# Altium PCB stencil V2.0.PcbDoc (part 3 of 4)
Units mm, origin at the board's own origin, x right, y up, seen from the top; angles counter-clockwise.
Board outline 50 x 79.06 mm, 2 copper layers (Top Layer, Bottom Layer); 235 components, 68 nets, 1097 pads, 384 vias.
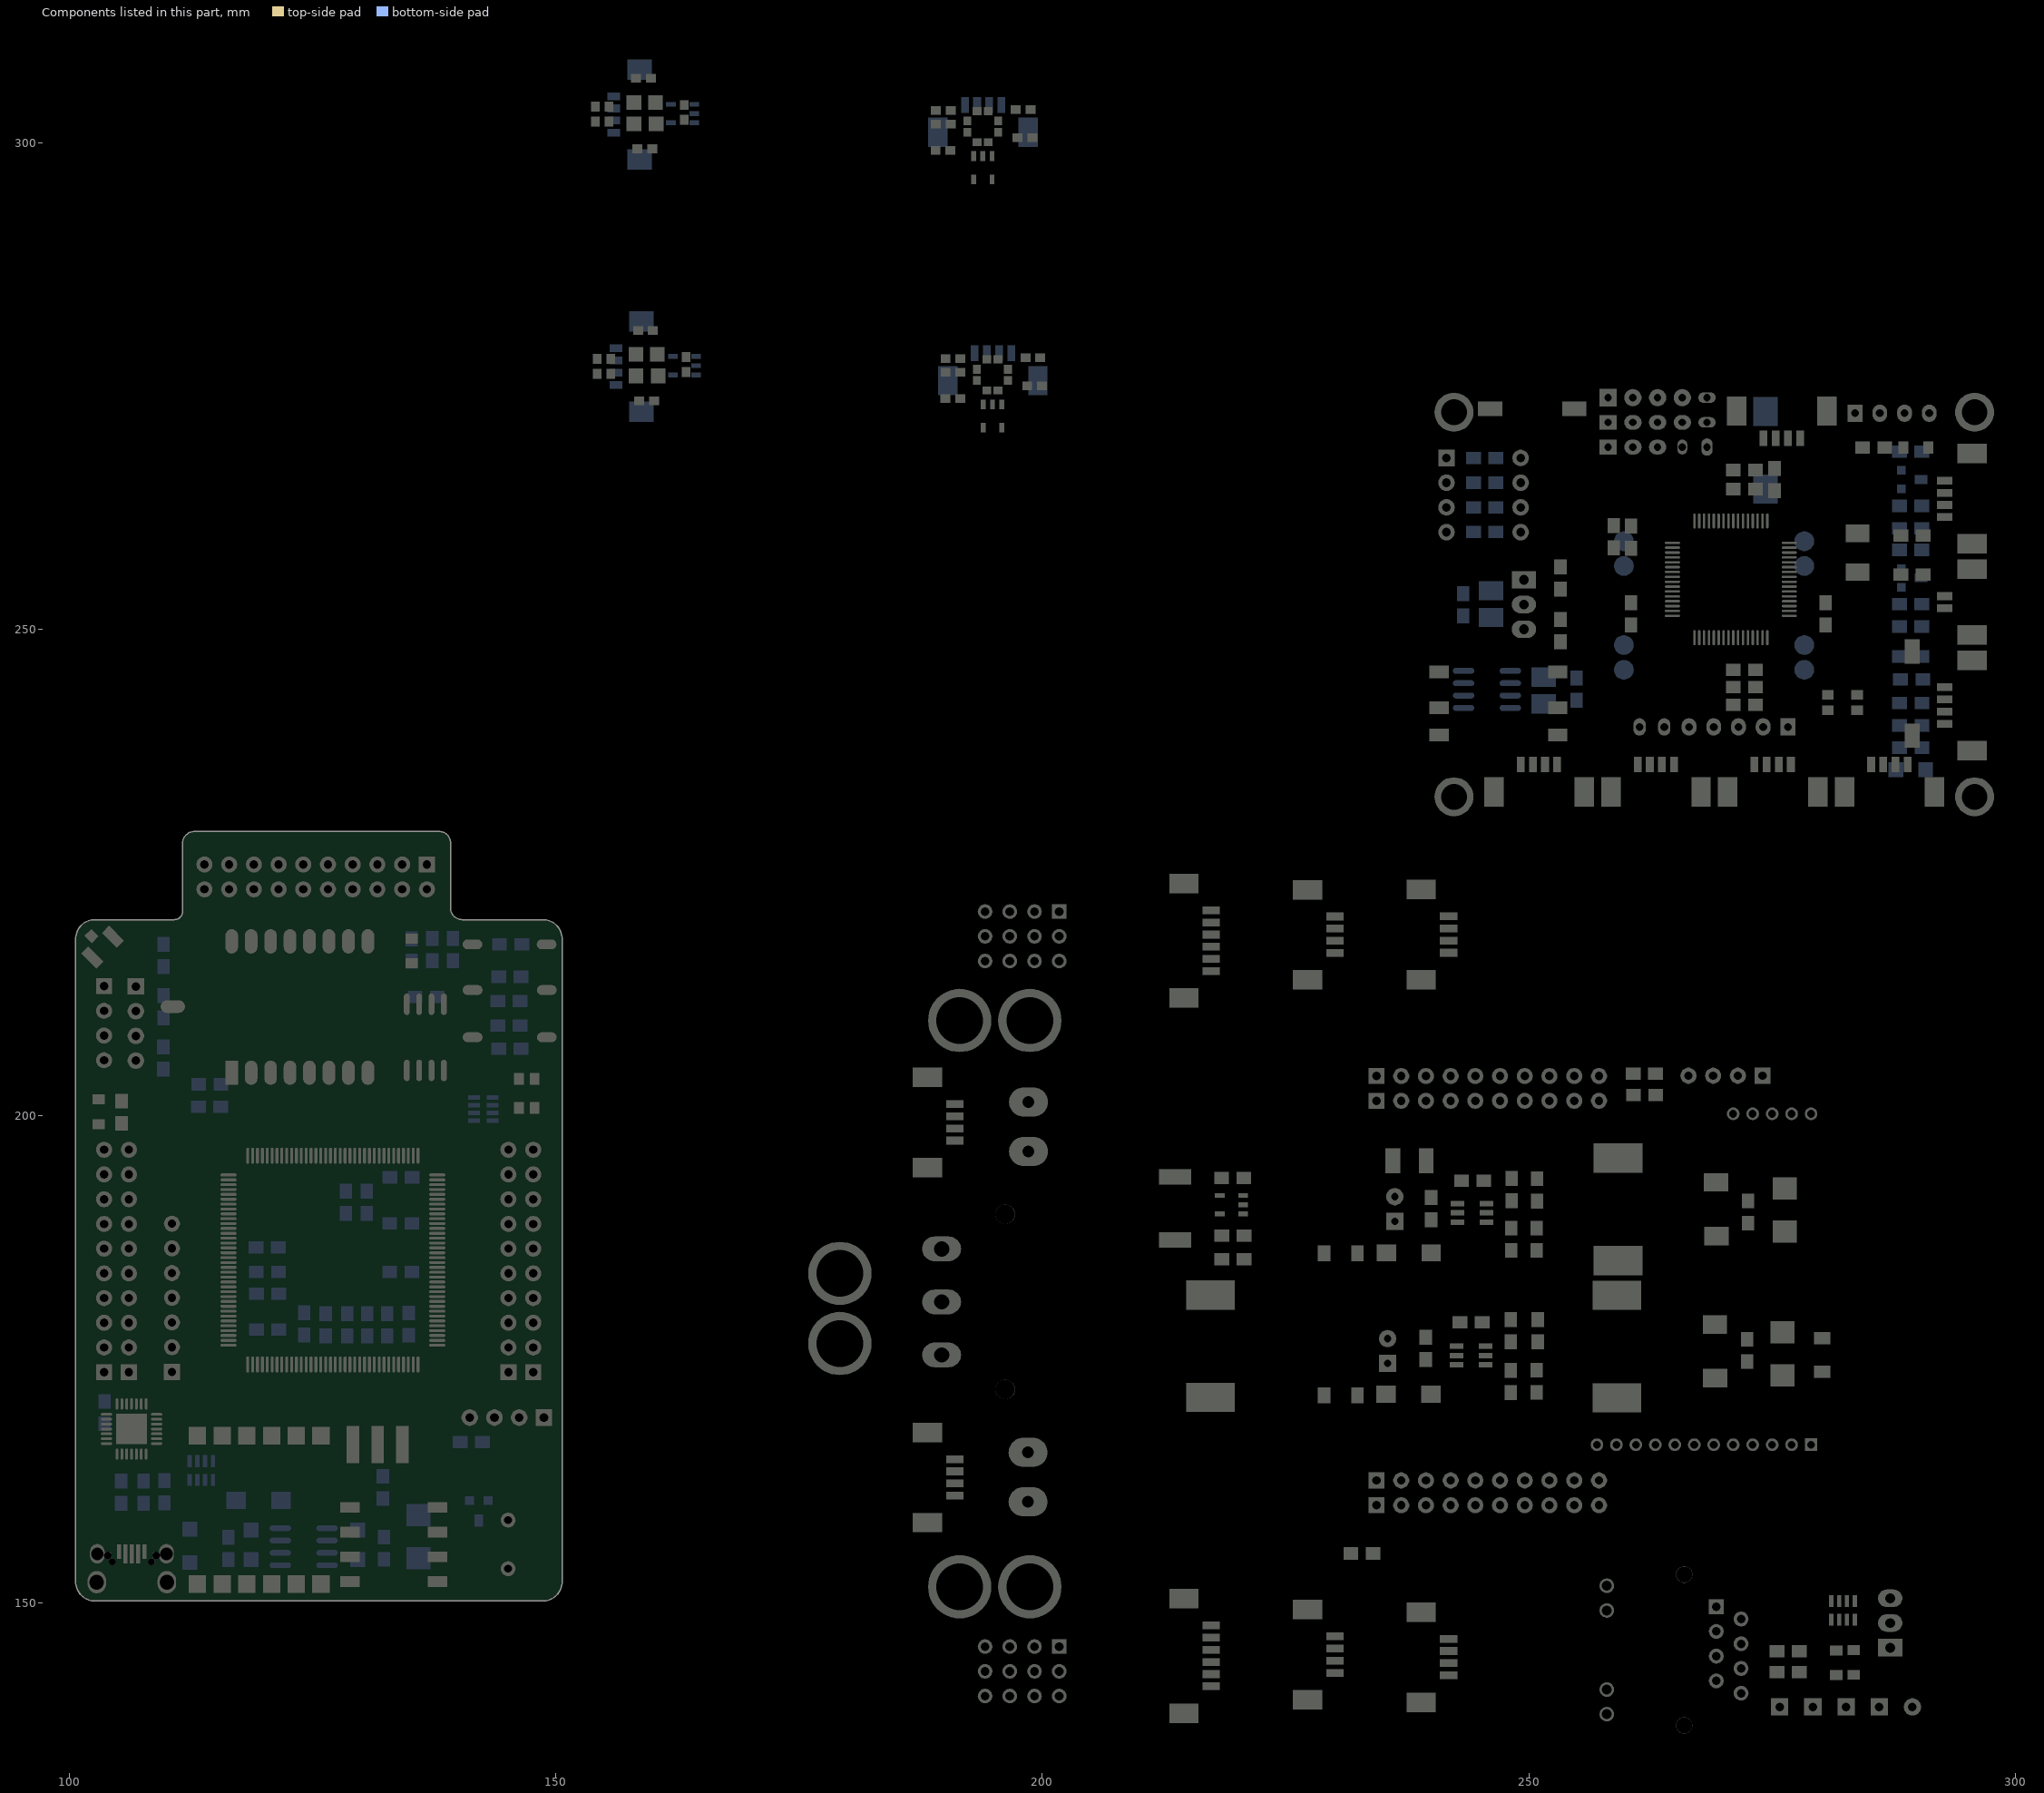
[diagram p3: the components of this part, seen from the top]

## Via types
v1: diameter 0.559, hole 0.305, Top Layer to Bottom Layer, 68 vias
v2: diameter 0.762, hole 0.406, Top Layer to Bottom Layer, 67 vias
v3: diameter 1.27, hole 0.711, Top Layer to Bottom Layer, 50 vias
v4: diameter 0.559, hole 0.356, Top Layer to Bottom Layer, 42 vias
v5: diameter 0.711, hole 0.406, Top Layer to Bottom Layer, 27 vias
v6: diameter 0.61, hole 0.305, Top Layer to Bottom Layer, tented both sides, 24 vias
v7: diameter 0.762, hole 0.381, Top Layer to Bottom Layer, tented both sides, 21 vias
v8: diameter 0.635, hole 0.406, Top Layer to Bottom Layer, 16 vias
v9: diameter 0.635, hole 0.381, Top Layer to Bottom Layer, 16 vias
v10: diameter 1.016, hole 0.559, Top Layer to Bottom Layer, 15 vias
v11: diameter 0.762, hole 0.381, Top Layer to Bottom Layer, 14 vias
v12: diameter 1.27, hole 0.711, Top Layer to Bottom Layer, tented both sides, 9 vias
v13: diameter 1.016, hole 0.635, Top Layer to Bottom Layer, 5 vias
v14: diameter 0.762, hole 0.457, Top Layer to Bottom Layer, 3 vias
v15: diameter 1.016, hole 0.457, Top Layer to Bottom Layer, 2 vias
v16: diameter 0.914, hole 0.559, Top Layer to Bottom Layer, 2 vias
v17: diameter 0.9, hole 0.9, Top Layer to Bottom Layer, 2 vias
v18: diameter 0.914, hole 0.457, Top Layer to Bottom Layer, tented both sides, 1 vias

## Nets (pads, with @x,y where several pads share a name; then routed paths per layer and width w, separated by ;. In a path a pad name is that pad's centre, name@x,y a point inside that pad or via, vN(x,y) a via of type N, cw(c..) or ccw(c..) an arc to the next point about the centre after c; other vN are vias at no path point) (continued)
copper on no net: | length 6231.1
  Top Layer w0.254: v10(103.046,160.229) 105.256,160.229 105.932,160.904 cw(c105.932,160.925) 105.912,160.925 105.912,166.311 cw(c106.412,166.311) 106.412,166.811 ; 103.588,208.25 104.951,206.887 104.951,204.171 105.815,203.307 106.983,203.307 v4(109.93,200.361) ; 103.59,181.279 cw(c103.59,179.994) 104.875,179.994 104.875,176.027 ccw(c105.866,176.027) 105.866,175.037 107.034,175.037 cw(c107.034,174.529) 107.542,174.529 107.542,172.929 ccw(c108.479,172.929) 108.479,171.992 112.983,171.992 ccw(c112.733,173.072) 113.841,173.072 113.841,179.71 115.061,180.93 116.379,180.93 ; 103.59,183.814 ccw(c104.823,183.814) 104.823,182.581 107.466,182.581 cw(c107.466,181.336) 108.711,181.336 108.711,175.875 ccw(c109.65,175.875) 109.65,174.935 112.083,174.935 ccw(c112.083,175.822) 112.97,175.822 112.97,180.084 114.816,181.93 116.379,181.93 ; 103.59,186.354 104.823,185.121 107.06,185.121 109.65,187.711 111.682,187.711 112.964,186.43 116.379,186.43 ; 103.59,188.889 104.844,187.635 106.78,187.635 110.075,190.93 116.379,190.93 ; 103.59,191.429 104.818,190.201 107.161,190.201 108.89,191.93 116.379,191.93 ; 103.59,193.979 104.854,192.715 106.653,192.715 107.542,193.604 107.542,194.77 112.256,199.484 113.391,199.484 113.404,199.497 128.064,199.497 129.361,198.201 129.361,195.912 129.354,195.905 ; 103.59,196.519 104.879,195.23 106.729,195.23 111.86,200.361 112.147,200.361 112.16,200.348 113.033,200.348 113.046,200.361 128.534,200.361 131.354,197.541 131.354,195.905 ; 103.732,210.79 103.732,210.646 105.383,208.995 105.383,204.501 106.133,203.751 107.453,203.751 109.777,201.427 v4@109.981,201.427 ; v8(103.758,164.14) 103.058,164.14 cw(c103.058,164.355) 102.843,164.355 102.843,166.983 cw(c103.188,166.983) 103.188,167.327 103.834,167.327 ; v8(103.808,163.2) 102.938,163.2 cw(c102.938,163.727) 102.411,163.727 102.411,167.163 cw(c103.072,167.163) 103.072,167.823 103.834,167.823 103.834,167.827 ; 105.782,155.113 v5(105.782,158.483) v5@105.782,158.534 ; 106.14,173.659 106.14,172.296 ccw(c106.879,172.296) 106.879,171.557 112.902,171.557 ccw(c112.902,172.954) 114.299,172.954 114.299,178.923 cw(c114.805,178.923) 114.805,179.43 116.379,179.43 116.424,179.385 117.901,179.385 v1(118.083,179.202) ; 106.14,181.279 107.505,181.279 cw(c107.505,180.505) 108.279,180.505 108.279,173.081 ccw(c108.936,173.081) 108.936,172.424 112.768,172.424 ccw(c112.698,173.132) 113.41,173.132 113.41,179.889 114.95,181.43 116.379,181.43 ; 106.14,183.814 ccw(c106.332,183.814) 106.332,183.622 108.152,183.622 cw(c108.152,182.631) 109.142,182.631 109.142,177.983 ccw(c109.65,177.983) 109.65,177.475 111.809,177.475 ccw(c111.809,178.136) 112.47,178.136 112.47,180.218 cw(c113.083,180.218) 112.53,180.483 cw(c113.083,180.218) 112.649,180.652 112.927,180.93 ccw(c111.946,181.911) 113.333,181.911 113.333,182.854 cw(c114.512,182.854) 113.679,183.687 cw(c114.438,182.619) 114.438,183.93 116.379,183.93 ; 106.14,186.354 110.216,190.43 116.379,190.43 ; 106.14,188.889 106.942,188.889 109.483,191.43 116.379,191.43 ; 106.14,191.429 108.141,193.43 116.204,193.43 ; 106.14,193.979 112.077,199.916 113.212,199.916 113.225,199.929 128.243,199.929 129.854,198.318 129.854,195.905 ; 106.14,196.519 107.358,196.519 111.607,200.768 111.657,200.768 111.681,200.792 112.326,200.792 112.339,200.78 112.855,200.78 112.867,200.792 128.712,200.792 131.854,197.651 131.854,195.905 ; 106.412,165.25 106.412,163.221 ; 106.432,155.114 106.432,158.199 106.443,158.21 106.443,163.19 cw(c106.443,163.221) 106.412,163.221 ; 106.432,158.662 ccw(c106.412,158.662) 106.412,158.683 106.412,163.221 ; 106.856,205.675 106.856,205.136 110.082,201.91 110.222,201.91 110.731,201.402 v8(112.597,201.402) ; 106.856,208.215 108.152,206.92 108.152,204.501 109.904,202.748 112.521,202.748 v8(112.546,202.774) ; 106.912,165.25 106.912,163.658 106.912,160.554 107.364,160.102 v5(107.364,158.527) v5@107.364,158.476 ; 107.412,165.25 107.412,164.245 ccw(c107.618,164.245) v5(107.618,164.039) ; 107.912,165.25 108.804,165.25 ccw(c108.804,165.283) 108.838,165.283 ; 108.989,166.827 108.989,166.833 109.882,166.833 cw(c109.882,166.505) 110.209,166.505 110.209,163.2 ccw(c111.911,163.2) 111.911,161.499 v5(113.156,161.499) ; 108.989,167.827 108.989,167.823 110.26,167.823 cw(c110.26,167.417) 110.666,167.417 110.666,163.378 ccw(c111.505,163.378) 111.267,162.574 ccw(c111.505,163.378) v4(111.505,162.54) ; 110.565,178.771 111.118,179.324 ccw(c110.988,179.454) 111.172,179.454 cw(c112.399,179.454) 111.531,180.321 111.962,180.752 ccw(c110.735,181.978) 112.47,181.978 112.47,182.2 cw(c114.9,182.2) 113.181,183.918 113.259,183.996 cw(c114.308,182.947) 114.308,184.43 116.379,184.43 ; 110.565,183.846 ccw(c110.565,186.102) 112.161,184.507 112.34,184.686 cw(c114.136,182.89) 114.136,185.43 116.379,185.43 ; 110.565,186.386 ccw(c111.665,187.486) 111.665,185.93 116.379,185.93 ; 110.565,188.921 111.591,188.921 112.59,187.922 v4(113.689,187.922) 114.197,188.43 116.379,188.43 117.481,188.43 ccw(c117.481,188.753) 117.804,188.753 117.804,193.122 cw(c118.236,193.122) 118.236,193.553 ccw(c118.236,194.171) 118.854,194.171 118.854,195.905 ; 110.642,181.309 ccw(c110.642,181.669) 110.897,181.414 ccw(c110.897,182.396) 111.591,181.702 111.657,181.768 ccw(c111.166,182.258) 111.86,182.258 111.86,182.657 cw(c113.822,182.657) 112.435,184.044 112.576,184.186 cw(c114.373,182.39) 114.373,184.93 116.379,184.93 ; v8@111.098,169.5 111.098,164.953 113.283,162.769 137.547,162.769 ccw(c137.547,163.751) 138.53,163.751 138.53,170.008 135.354,173.184 135.354,174.455 ; v8(111.149,170.617) v8(113.181,170.617) ; v8@111.759,168.661 111.759,164.978 113.486,163.251 137.413,163.251 ccw(c137.413,163.937) 138.098,163.937 138.098,169.677 134.854,172.922 134.854,174.455 ; v1(113.232,188.88) 114.375,188.88 114.925,189.43 116.379,189.43 ; v1@113.765,189.718 v1(113.816,189.718) 114.4,189.718 114.612,189.93 116.379,189.93 ; 113.902,223.272 113.902,219.807 115.594,218.115 115.594,215.118 116.483,214.229 116.483,212.095 120.039,208.539 v1(120.039,208.057) ; v1(114.095,192.588) 114.254,192.43 116.379,192.43 ; v1(114.095,195.077) 114.095,197.186 v1(114.756,197.846) ; v2@114.832,187.356 114.832,187.661 115.101,187.93 116.379,187.93 ; v4(114.959,174.376) 114.959,176.561 cw(c115.328,176.561) 115.328,176.93 116.379,176.93 ; v4(115.315,195.204) 115.315,194.493 115.878,193.93 116.379,193.93 ; v2(115.721,175.519) 115.721,176.231 115.92,176.43 116.379,176.43 ; v1(115.873,214) 115.873,212.094 119.353,208.615 119.353,207.701 v1(120.42,206.634) ; v4(116.051,195.89) 116.051,197.135 cw(c116.617,197.135) 116.617,197.7 119.337,197.7 cw(c119.337,197.184) 119.854,197.184 119.854,195.905 ; v4(116.204,194.95) 117.399,194.95 118.354,195.905 ; 116.379,177.43 118.419,177.43 120.943,179.954 120.943,194.148 v1@120.801,194.29 ; 116.379,177.93 118.308,177.93 120.511,180.133 120.511,193.334 v1@120.445,193.4 ; 116.379,179.93 119.573,179.93 120.079,180.437 120.079,192.642 120.058,192.663 120.058,192.706 v1(119.887,192.877) ; 116.379,180.43 118.828,180.43 119.648,181.249 119.648,192.014 v1(119.404,192.258) ; 116.379,182.93 117.632,182.93 cw(c117.632,182.606) 117.956,182.606 117.956,181.793 cw(c117.88,181.793) v2(117.88,181.717) ; 116.379,183.43 117.586,183.43 ccw(c117.586,183.8) 117.956,183.8 117.982,183.825 v4(117.982,185.197) ; 116.379,186.93 118.546,186.93 ccw(c118.546,187.578) 119.195,187.578 119.195,191.299 v1(118.896,191.598) ; 116.379,187.43 118.284,187.43 ccw(c118.284,187.889) 118.744,187.889 118.744,190.632 v1(118.464,190.912) ; 116.442,223.129 116.442,223.272 ; 116.442,225.822 117.702,224.562 117.702,222.433 116.889,221.62 v1(116.889,220.554) ; v1(116.813,214.94) 116.966,214.788 116.966,212.375 121.309,208.031 v1(124.916,208.031) ; v4(116.889,195.789) 116.889,196.779 cw(c117.27,196.779) 117.27,197.16 118.947,197.16 cw(c118.947,196.753) 119.354,196.753 119.354,195.905 ; v1(117.397,215.702) 117.397,212.68 121.334,208.743 v1(127.71,208.743) ; v8@118.032,171.684 117.093,172.624 117.093,175.443 121.375,179.725 121.375,195.884 121.354,195.905 ; v8(118.032,172.776) 117.905,172.776 117.524,173.157 117.524,175.264 121.854,179.594 121.854,195.905 ; 118.256,151.895 ccw(c118.256,152.154) 118.515,152.154 118.515,160.508 cw(c120.217,160.508) 120.217,162.21 137.808,162.21 ccw(c137.808,163.364) 138.962,163.364 138.962,170.668 135.854,173.776 135.854,174.455 ; 118.256,167.135 118.256,167.869 122.854,172.467 122.854,174.455 ; 118.354,174.455 118.354,175.46 122.285,179.391 122.285,193.844 v1(122.655,194.214) ; 118.854,174.455 118.854,175.349 122.717,179.213 122.717,193.158 123.062,193.503 v1(123.062,193.553) ; 118.982,222.672 118.982,222.967 117.728,221.713 117.728,216.54 117.982,216.287 117.982,212.833 121.285,209.53 v1(126.44,209.53) ; v1@119.175,214.559 119.252,214.483 v1(131.215,214.483) ; v1(119.302,213.67) v1(130.478,213.67) ; v1(119.556,220.528) 119.556,220.452 120.699,221.595 122.38,221.595 124.057,223.272 124.057,223.419 ; 119.854,174.455 119.854,175.738 123.149,179.034 123.149,192.549 v1(123.493,192.893) ; v1(120.344,193.503) v1@120.445,193.401 ; 120.354,174.455 120.354,175.628 123.581,178.855 123.581,191.99 123.9,192.309 v1@124.001,192.309 ; v1(120.572,212.857) v1(129.742,212.857) ; 120.796,151.895 119.328,153.363 119.328,160.426 cw(c120.553,160.426) 120.553,161.651 138.279,161.651 ccw(c138.279,162.766) 139.394,162.766 139.394,172.09 137.057,174.427 137.057,176.18 137.307,176.43 137.829,176.43 ; 120.796,167.135 120.796,169.723 123.354,172.281 123.354,174.455 ; 121.522,223.272 120.801,223.272 118.82,221.29 118.82,220.274 119.658,219.436 119.658,216.591 118.413,215.347 118.413,213.188 121.436,210.165 v1(125.729,210.165) ; v1(122.274,198.329) 122.274,198.176 122.854,197.597 122.854,195.905 ; v4(122.477,176.434) 125.396,176.434 cw(c125.396,175.976) 125.854,175.976 ; v1@123.138,198.024 v1@123.138,198.049 ; v1@123.138,198.252 v1@123.138,198.049 ; 123.336,167.135 123.519,167.318 v8(123.519,171.405) ; 123.354,195.905 123.354,197.833 v1@123.138,198.049 ; 123.854,195.905 123.854,197.749 124.078,197.973 v1@124.078,198.252 ; 124.052,191.039 124.433,191.42 v1@124.433,191.674 ; 124.089,191.039 124.089,182.892 126.102,180.879 131.944,180.879 134.893,177.93 137.829,177.93 ; v1(124.255,221.087) 126.44,223.272 126.597,223.272 ; v1(124.354,168.763) 124.354,174.455 ; 124.354,195.905 124.354,197.462 124.916,198.024 v1(124.916,198.252) ; 124.703,204.408 124.703,203.545 126.16,202.088 128.497,202.088 129.716,200.869 v1@129.716,200.64 ; 124.703,218.191 124.703,220.112 126.135,221.544 136.244,221.544 139.992,217.797 141.26,217.797 ; 124.854,174.455 124.854,169.613 ccw(c125.348,169.613) 125.348,169.119 126.993,169.119 cw(c126.993,168.702) 127.41,168.702 127.41,165.72 cw(c126.948,165.72) 126.948,165.258 v8(126.491,165.258) ; 124.854,195.905 124.854,193.768 ccw(c125.551,193.768) 125.551,193.071 128.421,193.071 cw(c128.421,192.969) v2(128.523,192.969) ; v1(125.068,190.937) 124.597,190.466 124.597,183.103 126.313,181.387 132.155,181.387 134.612,178.93 137.829,178.93 ; 125.354,174.455 125.354,170.23 ccw(c125.957,170.23) 125.957,169.627 126.937,169.627 cw(c126.937,168.702) 127.862,168.702 127.862,164.775 v5(127.354,164.267) ; 125.354,195.905 125.354,194.309 ccw(c125.779,194.309) 125.779,193.884 128.421,193.884 cw(c128.421,192.817) 129.488,192.817 v5(129.488,189.947) ; v1(125.854,179.81) 125.854,175.976 ; v5(126.135,158.781) 126.135,154.869 128.851,152.153 ; v4(126.211,172.217) 125.854,172.575 125.854,174.455 125.854,175.976 ; 126.354,174.455 126.354,176.602 v2(126.608,176.856) ; 126.703,204.408 126.703,203.247 127.303,202.647 128.853,202.647 130.758,200.742 v1@130.758,200.513 ; 126.854,174.455 126.854,171.346 ccw(c128.446,171.346) v4(128.446,169.754) ; v5(127.126,159.314) 127.126,156.419 ccw(c128.851,156.419) 128.851,154.693 ; 127.354,174.455 127.354,171.837 ccw(c128.573,171.837) v4@128.573,170.617 ; 127.854,174.455 127.854,172.188 ccw(c128.455,172.188) v4@128.455,171.587 ; v1(128.192,158.552) 128.192,157.892 128.851,157.233 ; 128.354,174.455 128.354,172.615 ccw(c128.446,172.615) v4(128.446,172.522) ; 128.354,195.905 128.354,197.372 v4(128.751,197.77) ; v1@128.851,160.33 128.851,159.773 cw(c130.12,159.773) 130.12,161.041 138.48,161.041 ccw(c138.48,162.387) 139.826,162.387 v4(139.826,177.374) ; v2(128.929,176.789) 132.358,176.789 cw(c132.358,176.294) 132.854,176.294 132.854,174.455 ; 129.164,166.214 ccw(c129.164,166.404) 129.354,166.404 129.354,174.455 ; 129.854,174.455 129.854,169.896 ccw(c130.707,169.896) 130.707,169.042 131.704,169.042 cw(c131.704,166.502) 134.244,166.502 134.244,166.214 ; 130.354,174.455 v4(130.354,175.949) ; v2(130.354,192.992) 130.354,195.905 ; 130.854,174.455 130.854,170.267 ccw(c131.444,170.267) 131.444,169.677 135.08,169.677 cw(c135.08,168.894) 135.863,168.894 v4@135.863,167.899 ; 130.854,195.905 130.854,194.372 v2(131.545,193.68) ; 131.354,174.455 131.354,170.91 v4(131.825,170.439) ; v5@131.704,166.214 cw(c131.704,166.17) 131.748,166.17 131.748,164.242 ccw(c132.231,164.242) 132.231,163.759 137.133,163.759 ccw(c137.133,164.267) 137.641,164.267 137.641,169.449 134.614,172.476 v4(133.354,172.476) 133.354,174.455 133.354,178.105 v1(131.774,179.685) ; 131.854,174.455 131.854,171.477 132.282,171.049 132.307,171.074 v4(132.307,171.176) ; v14(132.18,207.523) 132.18,201.656 131.621,201.097 131.621,198.735 132.354,198.003 132.354,195.905 ; v4(132.231,200.183) 132.231,198.81 132.854,198.188 132.854,195.905 ; 132.354,174.455 132.354,172.222 132.549,172.027 ; v4(132.917,187.635) 135.558,187.635 136.353,188.43 137.829,188.43 ; v4(132.942,182.581) 135.635,182.581 136.484,183.43 137.829,183.43 ; v4(132.993,199.497) 132.993,198.659 133.354,198.298 133.354,195.905 ; v4(133.73,198.887) cw(c133.73,198.763) 133.854,198.763 133.854,195.905 ; 133.854,174.455 v2@133.854,177.091 ; 134.354,174.455 v2@134.354,177.08 ; 134.354,195.905 134.354,199.047 ccw(c132.136,199.047) 133.704,200.615 cw(c134.808,201.718) 133.247,201.718 133.247,206.268 cw(c135.787,206.268) 133.399,207.135 cw(c135.787,206.268) 133.991,208.064 v5(135.127,209.2) ; 134.695,204.666 134.695,202.13 ccw(c136.515,202.13) 135.228,200.843 cw(c133.718,199.333) 135.854,199.333 135.854,195.905 ; 134.854,195.905 134.854,195.174 ccw(c135.254,195.174) 135.254,194.774 136.172,194.774 ccw(c136.172,195.279) 136.676,195.279 136.676,199.718 ccw(c134.942,199.718) 136.168,200.945 cw(c136.658,201.435) 135.965,201.435 135.965,204.666 ; 135.354,195.905 135.354,199.22 ccw(c133.885,199.22) 134.923,200.259 134.575,200.607 cw(c136.371,202.403) 133.831,202.403 133.831,205.811 cw(c136.371,205.811) 134.575,207.607 136.491,209.523 ccw(c134.695,211.319) 137.235,211.319 137.235,211.466 ; v2(135.657,183.93) 137.829,183.93 ; v2(135.711,193.071) 135.965,193.071 136.369,193.475 137.783,193.475 137.829,193.43 ; v4(136.193,177.247) 136.377,177.43 137.829,177.43 ; v4(136.727,202.951) 138.606,202.951 139.419,203.764 139.419,207.511 cw(c139.978,207.511) 139.978,208.069 140.799,208.069 ; v1(137.743,194.925) 138.606,194.925 139.318,194.214 139.318,193.147 cw(c139.1,193.147) 139.1,192.93 137.829,192.93 ; 137.829,176.93 139.076,176.93 139.292,176.713 139.292,175.215 139.013,174.935 v4(137.844,174.935) ; 137.829,178.43 139.231,178.43 144.615,183.814 144.728,183.814 ; 137.829,179.93 139.335,179.93 144.5,185.095 146.43,185.095 147.689,186.354 ; 137.829,180.43 139.224,180.43 144.906,186.111 144.906,186.354 ; 137.829,180.93 139.09,180.93 143.712,185.551 143.712,187.075 144.246,187.61 146.41,187.61 147.689,188.889 ; 137.829,181.43 138.98,181.43 143.28,185.73 143.28,187.254 144.915,188.889 145.139,188.889 ; 137.829,181.93 138.869,181.93 139.8,182.861 v4(139.8,183.8) ; 137.829,187.43 141.322,187.43 141.959,188.067 v4(141.959,188.092) ; 137.829,187.93 140.857,187.93 143.102,190.175 146.435,190.175 147.689,191.429 ; 137.829,188.93 v2(135.712,188.93) 135.102,188.93 cw(c135.102,189.261) 134.771,189.261 134.771,193.401 cw(c135.3,193.401) 135.3,193.93 137.829,193.93 ; 137.829,189.43 141.746,189.43 143.745,191.429 145.139,191.429 ; 137.829,189.93 141.587,189.93 144.372,192.715 146.425,192.715 147.689,193.979 ; 137.829,190.43 141.476,190.43 144.193,193.147 ; 137.829,190.93 141.365,190.93 143.686,193.251 143.686,194.593 143.811,194.718 143.811,194.719 144.372,195.281 146.45,195.281 147.689,196.519 ; 137.829,191.43 141.255,191.43 143.255,193.43 143.255,194.772 143.379,194.896 143.379,194.898 145,196.519 145.139,196.519 ; 137.829,191.93 141.144,191.93 142.823,193.608 142.823,194.951 142.947,195.075 142.947,195.077 143.661,195.791 143.661,197.389 144.626,198.354 148.157,198.354 149.503,199.7 v8(149.503,204.425) ; 137.829,192.43 139.311,192.43 ccw(c139.311,192.919) 139.8,192.919 139.8,194.342 138.455,195.687 v1(138.2,195.687) ; v1(139.14,199.548) 139.14,202.57 v1(139.165,202.596) ; 141.444,217.612 v8(143.554,217.612) ; 143.704,169.003 143.704,179.844 145.139,181.279 ; 144.194,193.147 145.026,193.979 145.139,193.979 ; 146.244,169.003 146.455,169.214 146.455,182.58 147.689,183.814 ; 154.071,303.668 154.32,303.917 v1(154.769,303.917) 155.219,303.917 155.468,303.668 155.917,304.117 158.035,304.117 158.262,304.344 158.262,306.589 ; 154.271,277.768 154.52,278.017 v1(154.969,278.017) 155.419,278.017 155.668,277.768 156.117,278.217 158.235,278.217 158.462,278.444 158.462,280.689 ; v1(156.738,303.287) 156.738,303.033 159.205,303.033 160.321,301.917 160.321,299.758 159.913,299.35 ; v1(156.938,277.387) 156.938,277.133 159.405,277.133 160.521,276.017 160.521,273.858 160.113,273.45 ; 159.786,306.589 161.945,306.589 162.961,305.573 v1(162.961,305.192) ; 159.986,280.689 162.145,280.689 163.161,279.673 v1(163.161,279.292) ; v1(161.183,305.065) 160.235,304.117 162.893,304.117 163.215,303.795 ; v1(161.383,279.165) 160.435,278.217 163.093,278.217 163.415,277.895 ; 240.761,239.111 242.288,239.111 245.797,242.62 245.797,266.939 248.122,269.265 250.14,269.265 254.636,264.769 267.41,264.769 269.498,262.681 269.498,261.12 ; 240.761,241.911 244.351,241.911 245.34,242.899 245.34,267.129 247.933,269.722 250.344,269.722 254.839,265.226 267.6,265.226 269.998,262.827 269.998,261.12 ; 240.761,245.611 244.343,245.611 244.883,246.151 244.883,267.318 247.743,270.179 250.533,270.179 255.029,265.683 267.789,265.683 270.498,262.974 270.498,261.12 ; 249.124,255.066 249.48,255.066 249.709,255.066 250.928,256.285 253.239,256.285 ; 249.15,259.968 251.537,262.356 266.563,262.356 266.998,261.92 266.998,261.12 ; 249.15,262.508 249.455,262.813 266.752,262.813 267.455,262.11 267.455,261.163 267.498,261.12 ; 249.15,265.048 250.877,263.321 266.904,263.321 267.998,262.227 267.998,261.12 ; 249.15,267.588 252.884,263.854 267.031,263.854 268.498,262.388 268.498,261.12 ; v6(251.385,257.327) 251.537,257.479 257.405,257.479 258.013,256.87 264.748,256.87 ; 251.842,236.398 251.842,236.753 252.858,237.769 253.823,237.769 257.786,241.731 257.786,253.669 259.487,255.37 264.748,255.37 ; 252.906,236.093 258.243,241.43 258.243,253.35 259.763,254.87 264.748,254.87 ; 252.961,239.111 v6(252.961,240.381) ; 252.961,241.911 253.162,242.112 v6(256.973,242.112) ; 252.961,245.611 251.233,247.34 251.233,250.418 250.42,251.231 248.286,251.231 246.28,253.237 246.28,266.775 248.312,268.807 249.937,268.807 254.433,264.312 267.221,264.312 268.998,262.534 268.998,261.12 ; 253.239,250.875 253.239,250.977 253.239,254.101 253.239,254.38 253.404,254.215 254.255,255.066 254.255,256.504 254.723,256.971 257.202,256.971 257.802,256.37 264.748,256.37 ; 254.662,272.643 254.992,272.313 v6(254.992,271.246) ; v7(254.966,260.73) 258.52,260.73 258.572,260.782 258.726,260.629 261.342,260.629 263.6,258.37 264.748,258.37 ; v7(258.954,252.196) 259.462,252.704 260.478,252.704 ; 260.478,252.958 260.681,252.958 261.594,253.87 264.748,253.87 ; v6(262.434,257.682) 262.746,257.37 264.748,257.37 ; v6(263.272,259.74) 264.141,258.87 264.748,258.87 ; v6@263.45,251.383 263.937,251.87 264.748,251.87 ; 263.67,236.275 263.67,236.093 263.67,235.669 264.39,234.949 v6(264.39,234.695) ; v6(264.085,247.573) 264.085,249.148 266.193,251.256 266.193,253.872 265.695,254.37 264.748,254.37 ; v6(264.085,250.418) 264.085,251.205 264.25,251.37 264.748,251.37 ; 264.748,252.37 263.523,252.37 262.79,251.637 262.79,239.318 264.39,237.718 276.404,237.718 276.92,237.202 276.92,236.093 ; 264.748,252.87 263.376,252.87 262.332,251.826 262.332,239.129 264.226,237.235 275.286,237.235 275.67,236.852 275.67,236.093 ; 264.748,255.87 267.353,255.87 v7(267.362,255.879) ; 264.92,236.093 264.971,236.041 v6(266.346,236.041) ; 266.998,249.12 266.998,241.967 267.717,241.248 267.717,239.47 268.505,238.683 287.174,238.683 288.92,236.937 288.92,236.093 ; 267.498,249.12 267.498,250.154 267.082,250.57 266.473,250.57 266.015,250.113 266.015,242.061 265.152,241.198 265.152,239.394 266.32,238.226 286.843,238.226 287.67,237.399 287.67,236.093 ; v6(267.793,242.468) 267.998,242.672 267.998,249.12 ; v6(268.327,241.629) 268.498,241.801 268.498,249.12 ; 268.998,239.953 268.998,249.12 ; 269.498,249.12 269.498,241.875 271.42,239.953 271.527,239.953 271.527,239.369 ; 269.998,249.12 269.998,250.258 273.483,253.743 273.483,258.227 279.604,264.349 v6(279.604,266.598) ; 270.498,249.12 270.498,250.111 273.94,253.554 273.94,258.038 280.493,264.591 v6(280.493,266.623) ; 270.998,241.731 271.069,241.731 ; 270.998,242.239 273.284,239.953 274.067,239.953 ; 270.998,244.032 270.998,245.825 270.998,249.12 270.998,249.965 272.213,251.18 v6(272.498,251.18) ; 270.998,266.344 270.998,264.388 270.998,261.12 270.998,253.694 v6(271.76,252.932) ; 271.121,242.29 272.188,243.357 272.188,247.014 271.498,247.704 271.498,249.12 ; v6(271.736,254.183) 272.498,254.945 272.498,261.12 ; 271.998,261.12 271.998,262.166 273.254,263.423 274.601,263.423 275.236,264.058 275.236,264.235 ; 272.498,249.12 272.498,250.271 v6(273.407,251.18) ; 272.998,249.12 272.998,247.982 274.982,245.998 274.995,245.998 275.681,245.312 284.049,245.312 285.548,243.814 285.548,240.491 v7(285.853,240.187) ; 272.998,261.12 272.998,262.061 273.903,262.965 276.429,262.965 278.233,264.769 278.233,268.147 280.62,270.535 284.405,270.535 286.056,272.186 ; 273.498,249.12 273.498,248.142 275.871,245.77 284.266,245.77 286.116,243.92 286.116,240.898 286.147,240.898 286.564,240.481 286.564,240.45 v7(286.827,240.187) ; 273.498,261.12 273.498,261.914 274.092,262.508 276.734,262.508 278.766,264.54 278.766,268.034 280.784,270.052 289.002,270.052 291.136,272.186 ; 273.998,249.12 273.998,248.303 276.074,246.227 284.456,246.227 286.827,243.855 v7(286.827,242.402) ; v6(274.111,268.08) 274.111,269.604 ; 274.498,261.12 275.031,261.12 v6@275.048,261.137 ; v6(275.361,268.08) 275.361,269.604 ; 276.748,253.87 285.22,253.87 289.383,249.707 289.383,247.7 291.895,247.7 v7(292.403,247.192) ; 276.748,254.87 280.704,254.87 281.694,255.86 283.77,255.86 ; 276.748,255.37 277.851,255.37 282.087,259.606 288.226,259.606 ; 276.748,255.87 275.71,255.87 275.388,255.549 275.388,253.745 275.763,253.37 276.748,253.37 279.827,253.37 280.493,252.704 280.519,252.729 281.466,251.782 283.382,251.782 v7(283.567,251.967) ; 276.748,256.37 275.549,256.37 274.912,255.733 274.912,251.681 279.376,247.217 286.945,247.217 290.129,244.033 292.734,244.033 ; 276.748,256.87 275.313,256.87 274.455,256.013 274.455,251.491 279.186,246.76 286.742,246.76 290.719,242.783 292.734,242.783 ; 276.748,257.37 275.776,257.37 275.185,257.962 275.185,258.601 281.845,265.261 292.515,265.261 ; 276.748,257.87 278.141,257.87 284.126,263.854 292.577,263.854 292.734,264.011 ; 276.748,258.37 277.854,258.37 284.1,264.616 v6(286.234,264.616) ; v6(278.544,251.532) 278.544,249.116 279.833,247.827 286.234,247.827 286.92,248.513 v7(286.92,250.215) ; 280.718,243.26 280.997,243.26 v7(281.865,242.391) ; v7(282.627,240.817) 282.627,242.168 283.718,243.26 ; 283.718,241.66 284.526,242.468 v7(284.837,242.468) ; 283.77,255.606 288.226,255.606 ; 286.568,268.66 286.569,268.661 288.492,268.661 ; 292.302,265.048 292.515,265.261 ; 292.734,265.261 292.515,265.261 ; 292.734,265.48 292.515,265.261
  Top Layer w0.305: v2(107.732,151.961) 107.732,155.338 ; 258.726,258.343 262.891,258.343 263.363,257.87 264.748,257.87 ; 260.478,250.672 263.177,253.37 264.748,253.37 ; 271.498,261.12 271.498,262.602 273.284,264.388 273.284,266.344 ; 271.998,249.12 271.998,247.94 273.284,246.654 273.284,245.825 273.284,244.032 273.284,242.239 274.321,242.239 276.607,239.953 ; 272.67,266.344 272.95,266.623 ; 276.709,252.374 278.637,252.374 280.493,250.517 280.493,250.418 ; 276.748,251.87 276.748,252.37 ; 276.748,254.37 289.276,254.37 290.512,255.606
  Top Layer w0.381: v10@110.26,160.533 114.185,160.533 ccw(c114.185,160.825) 114.476,160.825 114.476,162.007 ccw(c114.235,162.007) 114.235,162.248 112.838,162.248 v4(111.505,163.581) ; 260.478,250.418 261.367,249.529 261.367,239.953 261.367,239.369 ; 261.156,236.093 261.367,236.304 ; v7(282.932,268.63) 282.962,268.66 284.282,268.66
  Top Layer w0.508: 102.302,218.469 104.655,216.116 ccw(c106.451,217.912) 106.451,215.372 v2(108.406,215.372) ; v5@104.494,157.028 cw(c104.494,156.381) 105.132,156.491 cw(c104.494,156.381) 105.142,156.381 105.142,155 ; 104.5,218.393 cw(c105.315,218.393) 105.315,219.207 111.251,219.207 ccw(c111.251,220.376) 112.419,220.376 112.419,225.354 cw(c112.887,225.354) 112.887,225.822 113.902,225.822 ; 106.881,210.751 cw(c106.881,208.286) 109.346,208.286 v2(109.346,204.831) ; 107.732,155.338 107.732,156.761 cw(c108.076,156.761) 108.076,157.104 ccw(c108.076,157.663) 108.634,157.663 v10(108.634,158.501) ; v10(113.105,159.492) v10(115.797,156.8) v10@115.797,156.774 ; 122.703,217.778 122.703,217.908 ccw(c122.703,217.886) 122.681,217.886 122.681,216.312 ccw(c123.316,216.312) 123.316,215.677 132.409,215.677 133.603,215.677 ; v1(131.545,189.947) v2(131.545,193.68) ; v14@133.603,212.375 v14(133.603,212.476) 133.603,215.677 ; 135.203,215.677 133.603,215.677 ; 136.762,223.272 136.762,222.285 139.637,219.411 v4(140.918,219.411) ; 138.505,204.666 v4(138.505,208.336) v8(140.69,210.521) ; v4(139.597,212.883) cw(c139.635,212.883) 139.635,212.921 141.459,212.921 v5(144.055,212.921) ; 141.459,208.069 v5(144.08,208.069) ; v5(144.791,200.297) 145.708,200.297 145.822,200.411 ccw(c145.822,200.783) 146.194,200.783 ; v13(145.185,160.483) 147.09,160.483 ; v5(147.192,202.57) ccw(c147.192,203.172) 147.794,203.172 147.794,203.783 ; 147.794,200.783 147.794,201.681 v5(147.801,201.681) ; v1(153.436,302.144) 154.071,302.144 154.071,301.052 157.386,297.737 161.399,297.737 164.333,300.671 164.333,301.204 v1@164.155,301.382 ; v1(153.636,276.244) 154.271,276.244 154.271,275.152 157.586,271.837 161.599,271.837 164.533,274.771 164.533,275.304 v1@164.355,275.482 ; 155.468,302.144 157.808,302.144 158.035,301.917 158.035,299.704 158.389,299.35 158.389,299.275 159.216,298.448 160.942,298.448 163.19,300.696 163.19,302.322 ; 155.668,276.244 158.008,276.244 158.235,276.017 158.235,273.804 158.589,273.45 158.589,273.375 159.416,272.548 161.142,272.548 163.39,274.796 163.39,276.422 ; 190.56,299.206 192.328,299.206 192.938,298.596 ; 190.586,301.873 190.586,301.314 v9(190.916,300.984) ; 190.586,303.295 191.881,303.295 192.287,302.889 192.287,302.203 192.287,301.06 v9@193.354,301.06 ; 191.56,273.706 193.328,273.706 193.938,273.096 ; 191.586,276.373 191.586,275.814 v9(191.916,275.484) ; 191.586,277.795 192.881,277.795 193.287,277.389 193.287,276.703 193.287,275.56 v9@194.354,275.56 ; v9@192.11,296.196 192.938,296.196 ; v9@193.11,270.696 193.938,270.696 ; 193.888,298.596 193.888,297.885 193.278,297.275 190.281,297.275 189.036,298.52 189.036,299.206 189.062,299.231 189.062,301.873 189.062,304.032 cw(c189.671,304.032) 189.671,304.641 193.253,304.641 ; v9@194.446,301.187 194.446,300.044 197.012,300.044 197.444,300.476 ; 194.446,303.219 193.303,303.219 193.303,304.591 ccw(c193.253,304.591) 193.253,304.641 ; v9(194.599,297.377) 194.751,297.377 194.838,297.463 194.838,298.596 ; 194.838,296.196 195.602,296.196 196.123,296.717 v9(196.123,298.317) 197.977,298.317 198.968,299.307 198.968,300.476 198.968,303.219 198.79,303.397 ; 194.888,273.096 194.888,272.385 194.278,271.775 191.281,271.775 190.036,273.02 190.036,273.706 190.062,273.731 190.062,276.373 190.062,278.532 cw(c190.671,278.532) 190.671,279.141 194.253,279.141 ; v9@195.446,275.687 195.446,274.544 198.012,274.544 198.444,274.976 ; 195.446,277.719 194.303,277.719 194.303,279.091 ccw(c194.253,279.091) 194.253,279.141 ; 195.462,301.06 196.301,301.06 197.266,302.025 197.266,303.067 ; v9(195.599,271.877) 195.751,271.877 195.838,271.963 195.838,273.096 ; v2(195.818,304.641) 193.253,304.641 ; 195.838,270.696 196.602,270.696 197.123,271.217 v9(197.123,272.817) 198.977,272.817 199.968,273.807 199.968,274.976 199.968,277.719 199.79,277.897 ; 196.462,275.56 197.301,275.56 198.266,276.525 198.266,277.567 ; v2(196.818,279.141) 194.253,279.141 ; v9(197.215,304.438) 197.266,304.387 197.266,303.397 ; v9(198.215,278.938) 198.266,278.887 198.266,277.897 ; v3@243.943,249.961 243.943,267.893 247.042,270.992 251.36,270.992 252.401,269.95 267.006,269.95 268.301,271.246 ; v12(248.591,234.06) 249.156,234.625 249.156,236.093 ; v7(254.966,256.209) 254.966,253.466 v7(256.084,252.348) 256.135,252.297 v7(256.135,242.925) ; v12@257.227,237.896 257.227,236.651 257.785,236.093 261.156,236.093 ; 262.332,230.733 262.406,230.806 262.406,236.093 ; v12(271.632,236.093) 273.17,236.093 ; 272.95,266.623 272.95,274.599 ; 273.284,266.344 273.462,266.521 275.236,266.521 ; 274.42,236.093 274.42,230.764 274.406,230.75 274.423,230.733 ; 275.236,264.235 276.074,264.235 v7(277.445,265.607) ; 276.556,274.599 276.611,274.544 276.611,269.604 ; 276.912,239.572 277.166,239.318 289.383,239.318 290.349,240.283 292.734,240.283 v7(292.734,237.997) ; 277.861,269.604 277.861,271.331 v12(278.614,272.084) ; v12(278.766,236.093) 285.17,236.093 ; 280.493,250.418 284.507,250.418 284.608,250.519 ; v18(280.718,240.39) 280.718,241.66 ; v12(284.608,261.619) 284.71,261.518 290.399,261.518 ; 286.42,236.093 286.42,234.687 288.063,233.044 ; 290.512,255.606 290.512,259.606 290.512,261.405 290.399,261.518 ; v7(292.403,250.982) 292.403,251.81 292.734,252.141 ; v7(292.403,254.944) 292.734,254.613 292.734,253.391 ; 292.582,262.61 292.734,262.761 ; 292.734,241.533 297.923,241.533 297.969,241.579 ; 292.939,261.518 290.399,261.518
  Top Layer w0.762: v4(101.65,201.681) 103.048,201.681 ; 102.379,216.271 ccw(c102.379,215.415) 101.522,215.415 101.522,206.584 ccw(c102.386,206.584) 102.386,205.72 103.588,205.72 103.588,205.71 ; 103.048,199.141 105.299,199.141 105.388,199.231 ; 104.5,218.393 104.643,218.25 ccw(c106.439,220.046) 106.439,217.506 v13(108.126,217.506) ; 105.388,201.517 105.605,201.3 v10(107.466,201.3) v10(107.466,198.456) ; v5(108.838,162.489) 108.838,165.283 108.838,166.045 ; v2(115.162,219.969) 116.703,218.429 116.703,217.908 ; v10(120.344,154.463) 122.401,154.463 cw(c122.401,153.731) 123.133,153.731 123.133,151.87 ; v2(127.075,182.606) v2(127.075,185.248) ; v5(133.984,209.749) cw(c136.412,209.749) 134.695,211.466 ; v14(134.746,219.817) 135.203,219.36 135.203,218.217 ; 135.99,213.848 136.026,213.848 137.659,215.481 ; v13(135.99,220.427) 137.997,218.42 137.997,215.819 137.659,215.481 ; 141.164,169.003 ccw(c143.233,169.003) 143.233,166.934 146.785,166.934 cw(c146.785,164.935) 148.784,164.935 148.784,151.931 cw(c148.039,151.931) 148.039,151.186 v16(147.225,151.186) ; 146.194,203.783 ccw(c146.194,204.044) 146.455,204.044 v16(146.455,210.648) 146.455,213.569 ccw(c144.677,213.569) 144.677,215.347 137.794,215.347 cw(c137.794,215.481) 137.659,215.481 ; v5(147.471,214.229) 148.901,214.229 cw(c148.901,214.051) 149.079,214.051 ; 149.079,208.069 149.079,212.921 149.079,214.051 ; 149.079,217.598 149.079,214.051 ; 241.53,267.588 246.026,272.084 246.026,272.643 ; 249.48,249.986 250.406,249.06 250.406,236.093 250.406,235.014 254.687,230.733 262.332,230.733 274.423,230.733 285.751,230.733 288.063,233.044 290.577,235.559 297.308,235.559 297.969,236.219 297.969,241.579 297.969,260.933 296.141,262.761 292.734,262.761 ; 253.239,248.691 251.944,249.986 251.944,251.535 250.953,252.526 249.48,252.526 248.21,252.526 247.169,253.567 247.169,255.803 249.683,258.317 258.726,258.317 ; v12@257.227,237.896 257.227,238.2 258.98,239.953 261.367,239.953 ; 268.301,273.786 269.114,274.599 272.95,274.599 276.556,274.599 288.774,274.599 ; v12(284.608,248.818) 284.608,250.519 v12(284.608,252.805) ; 288.596,272.186 288.596,274.421 288.774,274.599 ; 291.032,268.661 292.99,270.619 292.99,273.405 291.796,274.599 288.774,274.599
  Top Layer w1.016: 103.59,176.199 102.456,176.199 ccw(c102.456,175.316) 101.573,175.316 101.573,157.793 ccw(c102.338,157.793) 102.338,157.028 v5(103.072,157.028) v5(103.758,157.028) v5(104.469,157.028) v5@104.494,157.028 ; v5@104.52,157.028 v5@104.799,157.028 ; 137.851,152.153 137.851,154.693 137.851,155.834 ; 137.851,159.773 137.851,157.233 137.851,155.834 ; v11(143.686,165.461) 146.099,165.461 cw(c146.099,164.394) 147.166,164.394 147.166,158.349 cw(c144.652,158.349) 144.652,155.834 137.851,155.834
  Bottom Layer w0.254: v8(103.758,164.14) 103.758,164.115 109.244,169.601 v8(111.098,169.601) ; v8@103.796,163.213 105.485,164.902 105.561,164.902 109.396,168.738 v8(111.784,168.738) ; 104.152,168.37 106.399,170.617 v8(111.149,170.617) ; 105.338,163.028 105.338,162.484 106.512,163.658 107.212,163.658 v5@107.644,164.089 ; v5(105.782,158.483) 107.321,158.483 v5(107.364,158.527) v5@107.161,158.527 ; 106.881,205.671 107.771,204.781 107.771,202.494 108.406,201.859 108.406,200.162 112.927,195.641 112.927,189.261 113.232,188.956 v1(113.232,188.88) ; 106.881,208.211 108.203,206.889 108.203,202.673 108.838,202.038 108.838,200.341 113.359,195.82 113.359,189.947 113.587,189.718 v1(113.816,189.718) ; v4(109.93,200.361) 115.086,195.204 v4(115.315,195.204) ; v4@109.981,201.427 109.981,201.224 115.315,195.89 v4(116.051,195.89) ; v4(111.505,162.54) cw(c111.568,162.54) 111.568,162.603 112.376,162.603 ; v4(111.505,163.581) 111.427,163.581 112.368,164.523 112.376,164.523 ; v5(113.156,161.499) 113.156,162.582 113.176,162.603 ; v8(113.181,170.617) 126.313,170.617 129.056,167.874 135.863,167.874 135.863,166.891 ccw(c136.226,166.891) 136.226,166.528 140.138,166.528 ; 113.976,162.603 113.976,161.634 ccw(c114.391,161.634) 114.391,161.219 115.111,161.219 ccw(c115.111,161.6) 115.492,161.6 cw(c115.899,161.6) 115.899,162.007 117.956,162.007 ccw(c117.956,162.769) 118.718,162.769 118.718,164.851 cw(c119.175,164.851) 119.175,165.309 119.912,165.309 ccw(c119.912,166.274) v1(120.877,166.274) ; v1(114.095,192.588) v1(114.095,195.077) ; v1(114.756,197.846) 115.619,197.846 117.601,199.827 117.601,213.848 119.556,215.804 v1(119.556,220.528) ; 114.776,162.603 117.865,162.603 ccw(c117.865,162.922) 118.185,162.922 v1(118.185,166.248) ; v4(114.959,174.376) 123.6,174.376 ccw(c123.6,174.91) 124.134,174.91 124.134,177.488 ; v2(115.721,175.519) 115.721,178.186 119.252,181.717 ; v1(115.873,214) 116.204,214.331 116.204,223.033 116.442,223.272 ; v4(116.204,194.95) 116,194.95 114.832,193.782 v2(114.832,187.153) 114.832,184.638 115.492,183.978 119.226,183.978 ; v1(116.813,214.94) 116.813,220.477 v1(116.889,220.554) v1@116.94,220.604 ; v4(116.889,195.789) 116.889,187.61 118.032,186.467 119.195,186.467 ; v1(117.397,215.702) 117.702,216.007 117.702,224.542 118.982,225.822 ; v4(117.982,185.197) 121.538,185.197 ; v8(118.032,171.811) 119.023,171.811 119.506,172.294 124.255,172.294 125.576,173.614 138.479,173.614 143.128,178.263 143.128,179.583 144.823,181.279 145.139,181.279 ; v8(118.032,172.776) 124.127,172.776 125.448,174.097 138.225,174.097 142.416,178.288 142.416,179.71 143.763,181.057 143.763,182.174 144.194,182.606 146.481,182.606 147.689,183.814 ; v1(118.083,179.202) 118.083,179.21 119.264,178.029 ; v1(118.464,190.912) 118.032,191.344 118.032,213.416 v1@119.175,214.559 ; v1(118.896,191.598) 118.896,191.699 118.464,192.131 118.464,212.832 v1(119.302,213.67) ; v1(119.404,192.258) 119.328,192.258 118.896,192.69 118.896,212.121 120.242,213.467 120.242,224.542 121.522,225.822 ; v1(119.887,192.877) 119.887,192.893 119.328,193.452 119.328,211.613 v1(120.572,212.857) ; v1(120.039,208.057) 119.76,207.777 119.76,194.087 v1(120.344,193.503) ; v1(120.42,206.634) 120.191,206.406 120.191,194.849 v1(120.75,194.29) ; v1(122.274,198.329) 121.284,199.319 121.284,220.223 122.782,221.722 122.782,224.547 124.057,225.822 ; v1(122.655,194.214) 125.5,197.059 125.5,199.294 124.205,200.589 124.205,218.014 129.132,222.941 129.132,223.272 ; v1(123.062,193.553) 126.084,196.576 126.084,199.776 124.916,200.945 v1(124.916,208.031) ; v1(123.189,198.252) 123.189,198.633 122.173,199.649 122.173,219.004 v1(124.255,221.087) ; v1(123.493,192.893) 126.643,196.043 126.643,200.183 125.754,201.072 v1@125.754,210.165 ; v8(123.519,171.405) 125.398,171.405 v4(126.211,172.217) 127.176,173.183 128.802,173.183 129.508,172.476 v4(133.354,172.476) ; v1(124.027,192.258) 127.1,195.331 127.1,200.792 126.44,201.453 v1(126.44,209.53) ; v1(124.052,198.252) 124.052,198.71 122.935,199.827 122.935,218.496 125.297,220.858 125.297,224.521 126.597,225.822 ; v1(124.354,168.763) 127.176,168.763 128.192,167.747 v1@128.192,158.603 ; v1(124.484,191.572) 127.608,194.696 127.608,201.427 127.1,201.935 127.1,214.051 130.377,217.328 130.377,224.526 131.672,225.822 ; v1(124.916,198.252) 124.916,198.862 123.595,200.183 123.595,218.166 127.786,222.357 127.786,224.476 129.132,225.822 ; v1(125.068,190.937) 128.142,194.011 128.142,201.91 127.71,202.342 v1(127.71,208.743) ; v5(126.135,158.781) 126.135,159.365 127.303,160.533 127.303,163.226 126.491,164.039 v8(126.491,165.258) ; v5(127.126,159.314) 127.761,159.949 127.761,163.861 v5(127.354,164.267) ; v4(128.446,169.754) 129.716,168.484 138.784,168.484 141.096,170.795 ; v4(128.446,170.617) 130.123,168.941 138.378,168.941 143.096,173.659 145.139,173.659 ; v4(128.446,171.557) 130.605,169.398 138.048,169.398 143.636,174.986 146.476,174.986 147.689,176.199 ; v4(128.446,172.522) 131.113,169.855 137.768,169.855 144.112,176.199 145.139,176.199 ; v4(128.751,197.77) ccw(c128.751,197.795) 128.777,197.795 128.777,202.257 cw(c129.471,202.257) 129.471,202.951 v4(136.727,202.951) ; v1(128.878,160.33) 128.878,161.957 cw(c129.563,161.957) 129.563,162.642 131.906,162.642 ccw(c131.906,162.968) 132.233,162.968 cw(c132.109,162.968) 132.109,162.845 ; v1@129.716,200.64 135.431,194.925 v1(137.743,194.925) ; v1(129.742,212.857) 129.742,215.143 131.825,217.226 131.825,223.119 131.672,223.272 ; v4(130.354,175.949) 138.198,175.949 ccw(c138.198,176.866) 139.114,176.866 139.114,199.522 v1(139.14,199.548) ; v1(130.478,213.67) 130.478,214.585 132.891,216.998 132.891,224.491 134.222,225.822 ; v1@130.758,200.513 135.584,195.687 v1(138.2,195.687) ; v1(131.215,214.483) 131.494,214.483 133.628,216.617 133.628,222.678 134.222,223.272 ; v4(131.825,170.439) 137.565,170.439 144.601,177.475 146.425,177.475 147.689,178.739 ; v14@132.124,207.579 v14(132.18,207.523) 132.18,209.606 133.374,210.8 137.26,210.8 137.831,211.371 137.831,212.217 ; v4(132.231,200.183) 132.231,201.124 cw(c133.004,201.124) 133.004,201.897 141.614,201.897 ; v4(132.307,171.176) 137.54,171.176 145.102,178.739 145.139,178.739 ; v4(132.764,171.811) 137.463,171.811 143.686,178.034 143.686,179.38 144.296,179.99 146.4,179.99 147.689,181.279 ; v4@132.917,199.497 132.917,200.342 cw(c133.672,200.342) 133.672,201.097 141.614,201.097 ; v4(133.73,198.887) 133.73,199.903 cw(c134.123,199.903) 134.123,200.297 137.198,200.297 137.211,200.31 141.601,200.31 141.614,200.297 ; 134.894,179.749 135.65,179.749 cw(c135.65,179.206) 136.193,179.206 v4(136.193,177.247) ; v5(135.127,209.2) cw(c136.23,208.096) 136.23,209.657 136.981,209.657 ccw(c136.981,211.129) 138.021,210.088 v5(138.454,210.521) ; v1(139.165,202.596) 139.14,202.621 139.14,212.426 cw(c139.597,212.426) v4(139.597,212.883) ; v4(139.8,183.8) 139.826,183.774 v4(139.826,177.374) ; 141.096,170.82 142.493,172.217 146.247,172.217 147.689,173.659 ; 141.614,199.497 143.458,197.653 143.458,189.591 v4(141.959,188.092) ; 146.506,217.633 148.411,217.633 149.503,216.54 v8(149.503,204.425) v8@149.503,204.348 ; v1(154.769,303.917) 154.769,301.445 155.214,301.001 155.976,301.001 155.976,300.747 157.085,299.638 160.004,299.638 160.038,299.604 161.564,299.604 163.215,301.255 163.215,302.652 163.53,302.967 164.231,302.967 ; v1(154.969,278.017) 154.969,275.545 155.414,275.101 156.176,275.101 156.176,274.847 157.285,273.738 160.204,273.738 160.238,273.704 161.764,273.704 163.415,275.355 163.415,276.752 163.73,277.067 164.431,277.067 ; 155.976,302.251 158.496,302.251 159.976,303.731 v1@161.246,305.001 ; 155.976,303.501 156.19,303.287 v1(156.738,303.287) ; 156.176,276.351 158.696,276.351 160.176,277.831 v1@161.446,279.101 ; 156.176,277.601 156.39,277.387 v1(156.938,277.387) ; 161.831,302.017 162.961,303.147 v1(162.961,305.192) ; 162.031,276.117 163.161,277.247 v1(163.161,279.292) ; 244.298,267.588 244.298,265.048 244.298,262.508 244.298,259.968 244.298,258.749 246.381,256.666 254.966,256.666 ; 246.584,259.968 249.15,259.968 ; 246.584,262.508 249.15,262.508 ; 246.584,265.048 249.15,265.048 ; 246.584,267.588 249.15,267.588 ; v6(251.385,257.327) 251.385,267.588 255.017,271.22 v6(254.992,271.246) ; 251.512,240.41 251.541,240.381 v6(252.961,240.381) ; v6(256.973,242.112) 260.365,242.112 263.45,245.197 263.45,248.758 269.707,255.015 271.959,255.015 273.407,253.567 v6(273.407,251.18) ; 258.141,268.706 261.24,265.607 261.24,251.205 262.028,250.418 v6(264.085,250.418) ; 260.681,268.706 261.723,267.664 261.723,252.247 262.612,251.358 v6(263.45,251.358) ; v6(262.434,257.682) 262.434,267.918 263.221,268.706 ; v6(263.272,259.74) 263.272,266.217 265.761,268.706 ; 263.907,239.953 263.907,241.807 264.568,242.468 v6(267.793,242.468) ; v6(264.085,247.573) 264.085,245.185 259.945,241.045 259.945,238.886 264.136,234.695 v6(264.39,234.695) ; v6(266.346,236.041) 263.641,236.041 260.402,239.281 260.402,240.817 271.125,251.54 271.125,253.572 v6(271.736,254.183) ; 266.447,239.953 266.447,240.918 267.158,241.629 v6(268.327,241.629) ; v7(267.362,255.879) 274.143,255.879 278.49,251.532 v6(278.544,251.532) ; 268.301,268.706 268.301,263.219 270.384,261.137 v6(274.956,261.137) ; v6(274.111,268.08) 275.593,266.598 v6(279.604,266.598) ; v6(275.361,268.08) 279.037,268.08 v6(280.493,266.623) ; v7(281.865,242.391) 281.865,240.573 285.761,236.676 289.24,236.676 290.383,237.819 ; v7(282.627,240.817) 284.684,240.817 285.116,241.248 289.245,241.248 290.383,240.11 ; v12(284.608,252.805) 287.842,252.805 288.088,252.56 ; 284.608,260.4 284.634,260.375 288.088,260.375 ; 284.608,266.267 284.659,266.318 288.266,266.318 ; v7(284.837,242.468) 285.98,243.611 289.174,243.611 290.383,242.402 ; v7(285.853,240.187) 285.853,240.064 288.097,237.819 ; v6(286.234,264.616) 286.234,264.523 288.088,262.669 ; v7(286.827,240.187) 288.021,240.187 288.097,240.11 ; v7(286.827,242.402) 288.097,242.402 ; v7(286.92,250.215) 288.037,250.215 288.088,250.265 ; 288.088,248.538 288.097,248.529 288.097,247.187 ; 288.266,254.304 288.63,254.304 290.374,252.56 290.374,250.265 ; 288.266,264.413 288.63,264.413 290.374,262.669 290.374,260.375 ; 290.476,244.83 290.383,244.922 290.383,247.187 292.398,247.187 v7(292.403,247.192)
  Bottom Layer w0.305: v6(271.76,252.932) 272.498,252.194 v6(272.498,251.18)
  Bottom Layer w0.381: 108.482,188.778 108.624,188.921 ; 109.777,162.515 ccw(c109.777,162.692) 109.955,162.692 109.955,165.74 cw(c110.438,165.74) 110.438,166.223 112.785,166.223 cw(c112.785,165.832) 113.176,165.832 113.176,164.523 ; 113.902,225.822 114.187,225.822 115.162,224.846 v2(115.162,219.969) ; 113.976,164.523 115.164,164.523 ccw(c115.164,165.029) 115.67,165.029 v5(115.67,166.401) ; 143.534,200.297 v5(144.791,200.297) ; 143.534,201.097 147.217,201.097 ccw(c147.217,201.681) v5(147.801,201.681) ; 143.534,201.897 146.493,201.897 ccw(c146.493,202.57) 147.166,202.57 v5(147.192,202.57) ; 274.321,264.376 272.061,266.636 272.061,273.608 273.026,274.573 275.871,274.573 276.556,273.887 276.556,272.084 277.699,270.941 278.926,270.941 279.642,271.658 279.642,271.665 282.068,274.091 291.263,274.091 292.508,272.846 292.508,271.195 291.009,269.696 289.536,269.696 288.088,268.249 ; 274.321,272.376 276.569,270.128 279.071,270.128 282.449,273.506 289.155,273.506 289.891,272.77 289.891,271.22 288.444,269.773 287.326,269.773 286.615,269.061 286.615,267.69 287.097,267.207 289.815,267.207 290.298,266.725 290.298,265.378 ; 275.337,272.059 275.337,272.376 ; v7(282.932,268.63) 283.465,268.63 283.516,268.68 ; 284.608,244.931 284.71,244.83 288.19,244.83